# KiCad board mainboard.kicad_pcb (continued)
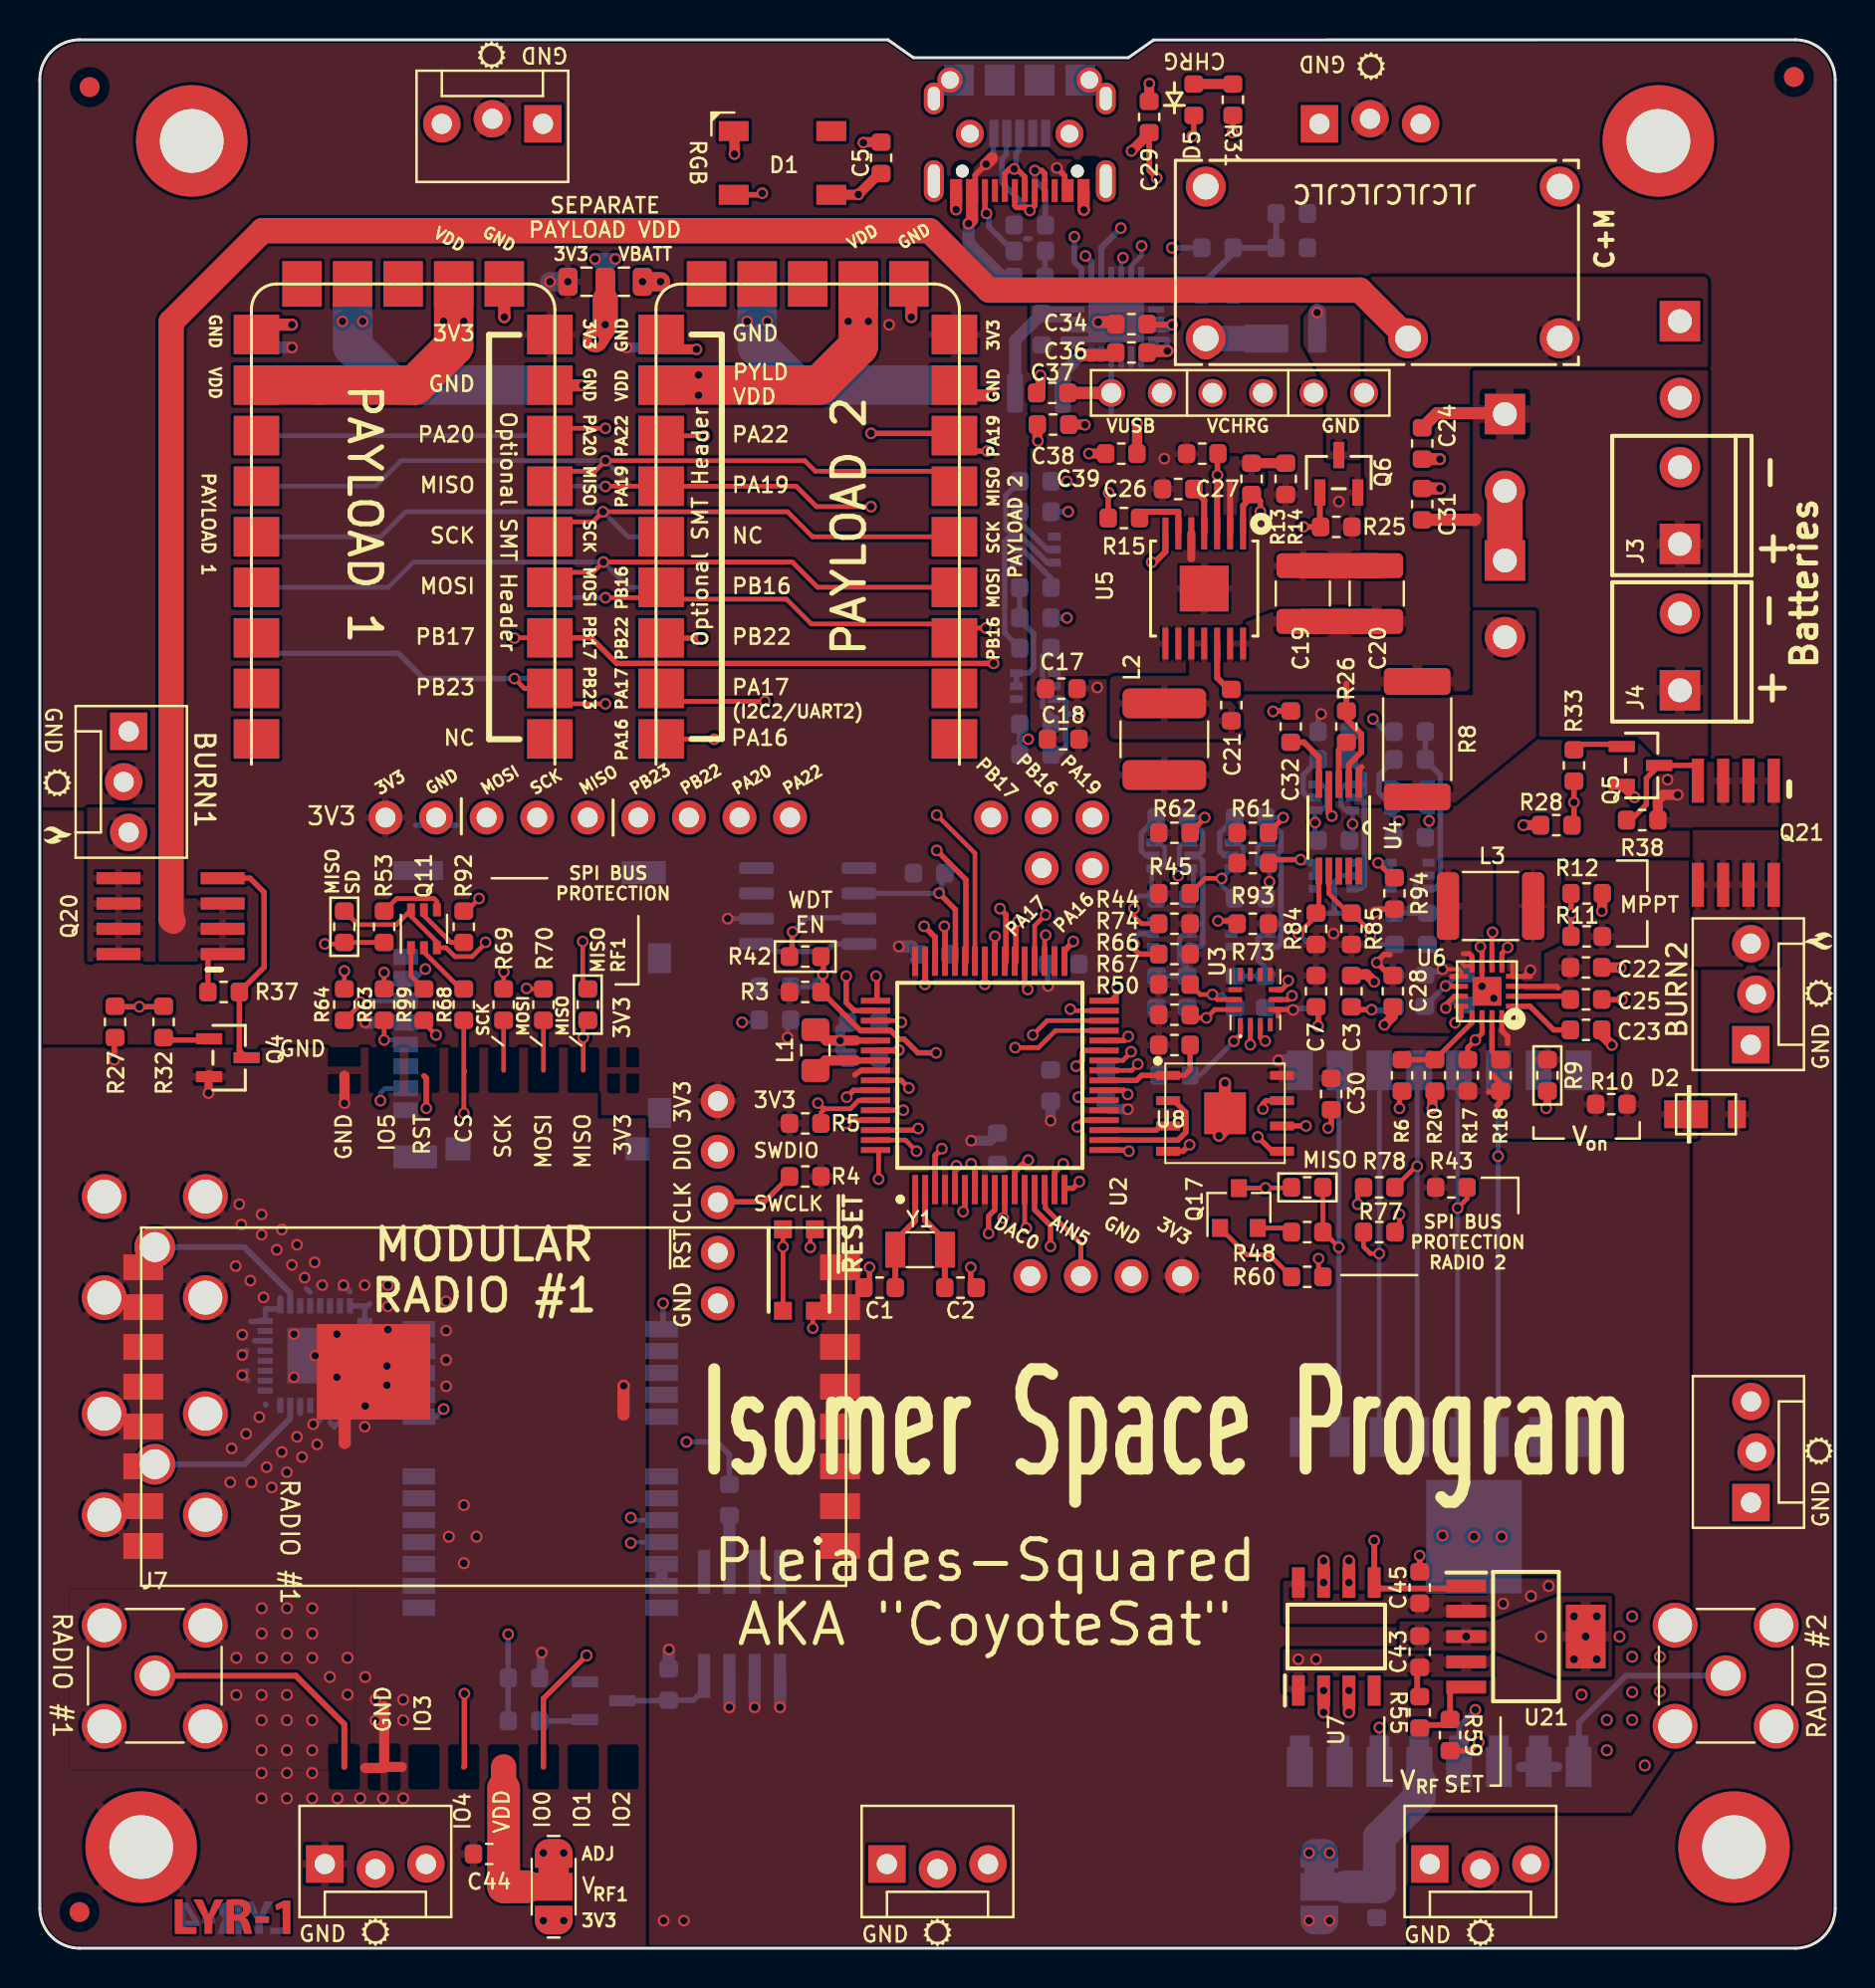
[diagram p0: board, top side]
## Footprints (pads in the part's own frame, mm; a bottom-side part is the same pattern mirrored in y, then rotated) (continued)
  rect 2.8x2.8 smd: 25(0,0)
QFN-16-PAD
  rect 0.7x0.25 smd: P$1(-1.3,0.75) P$2(-1.3,0.25) P$3(-1.3,-0.25) P$4(-1.3,-0.75) P$9(1.3,-0.75) P$10(1.3,-0.25) P$11(1.3,0.25) P$12(1.3,0.75)
  rect 0.25x0.7 smd: P$5(-0.75,-1.3) P$6(-0.25,-1.3) P$7(0.25,-1.3) P$8(0.75,-1.3) P$13(0.75,1.3) P$14(0.25,1.3) P$15(-0.25,1.3) P$16(-0.75,1.3)
  rect 1.45x1.45 smd: P$17(0,0)
QFP50P1200X1200X120-64N
  rect 1.475x0.3 smd: 1(-5.738,3.75) 2(-5.738,3.25) 3(-5.738,2.75) 4(-5.738,2.25) 5(-5.738,1.75) 6(-5.738,1.25) 7(-5.738,0.75) 8(-5.738,0.25) 9(-5.738,-0.25) 10(-5.738,-0.75) 11(-5.738,-1.25) 12(-5.738,-1.75) 13(-5.738,-2.25) 14(-5.738,-2.75) 15(-5.738,-3.25) 16(-5.738,-3.75) 33(5.738,-3.75) 34(5.738,-3.25) 35(5.738,-2.75) 36(5.738,-2.25) 37(5.738,-1.75) 38(5.738,-1.25) 39(5.738,-0.75) 40(5.738,-0.25) 41(5.738,0.25) 42(5.738,0.75) 43(5.738,1.25) 44(5.738,1.75) 45(5.738,2.25) 46(5.738,2.75) 47(5.738,3.25) 48(5.738,3.75)
  rect 0.3x1.475 smd: 17(-3.75,-5.738) 18(-3.25,-5.738) 19(-2.75,-5.738) 20(-2.25,-5.738) 21(-1.75,-5.738) 22(-1.25,-5.738) 23(-0.75,-5.738) 24(-0.25,-5.738) 25(0.25,-5.738) 26(0.75,-5.738) 27(1.25,-5.738) 28(1.75,-5.738) 29(2.25,-5.738) 30(2.75,-5.738) 31(3.25,-5.738) 32(3.75,-5.738) 49(3.75,5.738) 50(3.25,5.738) 51(2.75,5.738) 52(2.25,5.738) 53(1.75,5.738) 54(1.25,5.738) 55(0.75,5.738) 56(0.25,5.738) 57(-0.25,5.738) 58(-0.75,5.738) 59(-1.25,5.738) 60(-1.75,5.738) 61(-2.25,5.738) 62(-2.75,5.738) 63(-3.25,5.738) 64(-3.75,5.738)
R_0603_1608Metric
  rrect 0.875x0.95 smd: 1(-0.787,0) 2(0.787,0)
R_0805_2012Metric
  rrect 0.975x1.4 smd: 1(-0.938,0) 2(0.938,0)
R_2512_6332Metric
  rrect 1.35x3.35 smd: 1(-2.9,0) 2(2.9,0)
RELAY_PE014006
  round 2.007 hole 1.295: 1(-7.62,17.196) 5(0,17.196) 11(-7.62,7.036) 12(0,-0.584) 14(-7.62,-0.584)
RFM95PW
  rect 2x1.3 smd: 1(17.6,-7.5) 2(17.6,-5.5) 3(17.6,-3.5) 4(17.6,-1.5) 5(17.6,0.5) 6(17.6,2.5) 7(17.6,4.5) 8(17.6,6.5) 9(-17.4,6.5) 10(-17.4,4.5) 11(-17.4,2.5) 12(-17.4,0.5) 13(-17.4,-1.5) 14(-17.4,-3.5) 15(-17.4,-5.5) 16(-17.4,-7.5)
  rect 5.7x4.8 smd: 17(6.032,-2.25)
S1216_24PIN_PACKAGE
  rect 1.626x0.813 smd: 1(5.85,-7.62) 2(5.85,-6.52) 3(5.85,-5.42) 4(5.85,-4.32) 5(5.85,-3.22) 6(5.85,-2.12) 7(5.85,-1.02) 8(5.85,1.98) 9(5.85,3.08) 10(5.85,4.18) 11(5.85,5.28) 12(5.85,6.38) 13(-6.35,6.38) 14(-6.35,5.28) 15(-6.35,4.18) 16(-6.35,3.08) 17(-6.35,1.98) 18(-6.35,-1.02) 19(-6.35,-2.12) 20(-6.35,-3.22) 21(-6.35,-4.32) 22(-6.35,-5.42) 23(-6.35,-6.52) 24(-6.35,-7.62)
SCREWTERMINAL-3.5MM-2_LOCK
  rect 2.032x2.032 hole 1.2: 1(-0.178,0)
  round 2.032 hole 1.2: 2(3.678,0)
SMA_Amphenol_901-144_Vertical
  round 2.05 hole 1.5: 1(0,0)
  round 2.25 hole 1.7: 2(-2.54,2.54) 2(-2.54,-2.54) 2(2.54,2.54) 2(2.54,-2.54)
SO-8_3.9x4.9mm_P1.27mm
  rrect 1.75x0.6 smd: 1(-2.575,1.905) 2(-2.575,0.635) 3(-2.575,-0.635) 4(-2.575,-1.905) 5(2.575,-1.905) 6(2.575,-0.635) 7(2.575,0.635) 8(2.575,1.905)
SOIC127P600X175-8N
  rect 1.525x0.65 smd: 1(-2.712,1.905) 2(-2.712,0.635) 3(-2.712,-0.635) 4(-2.712,-1.905) 5(2.712,-1.905) 6(2.712,-0.635) 7(2.712,0.635) 8(2.712,1.905)
SolderJumper-3_P1.3mm_Bridged12_RoundedPad1.0x1.5mm
  custom 1.45x1.9 smd: 1(-1.7,0) 3(1.7,0)
  rect 1.4x1.9 smd: 2(0,0)
SON127P600X500X90-9N
  rect 1.2x0.45 smd: 1(-2.865,1.905) 2(-2.865,0.635) 3(-2.865,-0.635) 4(-2.865,-1.905) 5(2.865,-1.905) 6(2.865,-0.635) 7(2.865,0.635) 8(2.865,1.905)
  rect 2.1x2.1 smd: 9(0,0)
SOT-23
  rect 0.559x1.321 smd: 1(-0.953,-1.003) 2(0.953,-1.003) 3(0,0.876)
SOT-23#2
  rect 0.9x0.8 smd: 1(-1,0.95) 2(-1,-0.95) 3(1,0)
SOT-363_SC-70-6
  rect 0.65x0.4 smd: 1(-0.95,0.65) 2(-0.95,0) 3(-0.95,-0.65) 4(0.95,-0.65) 5(0.95,0) 6(0.95,0.65)
TPS7A4501DCQT
  rect 2x0.65 smd: 1(-3,2.54) 2(-3,1.27) 3(-3,0) 4(-3,-1.27) 5(-3,-2.54)
  rect 2x3.2 smd: 6(3,0)
USB_C_Receptacle_XKB_U262-161N-4BVC11
  round 0.65 hole 0.65 unplated: (-2.39,4.045) (3.39,4.045)
  rect 0.6x1.15 smd: A1(-2.7,5.02) A4(-1.9,5.02) A9(2.9,5.02) A12(3.7,5.02)
  rect 0.3x1.15 smd: A5(-0.75,5.02) A6(0.25,5.02) A7(0.75,5.02) A8(1.75,5.02) B5(2.25,5.02) B6(1.25,5.02) B7(-0.25,5.02) B8(-1.25,5.02)
  oval 1x2.1 hole 0.6x1.7: S1(-3.82,4.545) S1(4.82,4.545)
  oval 1x1.6 hole 0.6x1.2: S1(-3.82,0.395) S1(4.82,0.395)
XTB40_payload
  rect 2.286x1.981 smd: 1(0.254,22.86) 2(0.254,20.32) 3(0.254,17.78) 4(0.254,15.24) 5(0.254,12.7) 6(0.254,10.16) 7(0.254,7.62) 8(0.254,5.08) 9(0.254,2.54) 15(14.986,2.54) 16(14.986,5.08) 17(14.986,7.62) 18(14.986,10.16) 19(14.986,12.7) 20(14.986,15.24) 21(14.986,17.78) 22(14.986,20.32) 23(14.986,22.86)
  rect 1.981x2.286 smd: 10(2.54,0) 11(5.08,0) 12(7.62,0) 13(10.16,0) 14(12.7,0)

## Nets
3.3V: C5.1 C7.1 C9.2 C10.1 C11.1 C13.1 C15.1 C16.1 C17.2 C18.2 C30.1 D1.1 J1.4 J2.1 J8.1 J10.4 JP6.3 JP7.3 L2.2 Q22.1 Q22.2 Q22.3 R3.1 R4.1 R5.1 R13.2 R17.2 R18.2 R23.1 R43.1 R44.1 R45.1 R50.2 R51.2 R54.1 R57.1 R61.1 R62.1 R66.1 R67.1 R73.1 R74.1 R82.1 R83.1 R84.1 R85.1 R93.1 R94.1 U1.2 U2.4 U2.8 U2.21 U2.34 U2.48 U2.56 U3.5 U3.8 U3.12 U5.1 U8.8 U9.9 U10.9 U11.9 U12.9 U23.9 U24.9
/Power/3V3_EN: Q2.6 R29.2 U5.7
GND: C1.2 C2.2 C3.2 C4.1 C5.2 C7.2 C8.2 C9.1 C10.2 C11.2 C12.1 C13.2 C14.2 C15.2 C16.2 C17.1 C18.1 C19.2 C20.2 C22.2 C23.2 C26.2 C27.2 C28.2 C30.2 C32.1 C40.2 C41.2 C42.2 C43.1 C44.1 C45.1 C46.1 D1.3 H1.1 H2.1 H3.1 H4.1 J1.6 J1.P1 J1.P2 J1.P3 J1.P4 J1.P5 J2.5 J5.2 J6.2 J7.2 J8.2 J10.3 J12.2 J14.5 J18.2 JP8.1 JP9.1 JP10.1 JP11.1 JP12.1 JP13.1 JP14.1 JP15.1 Q1.2 Q2.1 Q2.4 Q3.1 Q3.4 Q4.2 Q5.2 Q6.2 Q12.1 Q12.4 Q13.1 Q13.4 Q18.1 Q18.4 Q19.1 Q19.4 R2.1 R7.1 R9.2 R12.1 R14.1 R20.1 R21.2 R25.2 R27.2 R28.2 R41.2 R59.2 SW1.B SW1.B' U1.3 U1.4 U2.7 U2.22 U2.33 U2.47 U2.54 U3.2 U3.3 U3.6 U3.7 U4.4 U5.5 U5.8 U5.9 U5.15 U6.P$5 U6.P$7 U6.P$12 U6.P$17 U7.2 U7.3 U7.6 U7.7 U8.4 U8.9 U9.8 U9.10 U9.15 U10.8 U10.10 U10.15 U11.8 U11.10 U11.15 U12.8 U12.10 U12.15 U13.1 U13.2 U13.3 U13.5 U13.6 U13.7 U13.8 U13.9 U13.10 U13.11 U13.12 U13.13 U13.14 U13.16 U13.17 U13.18 U13.19 U13.20 U13.21 U13.22 U13.23 U13.24 U13.25 U13.27 U13.28 U13.29 U13.30 U13.31 U13.32 U13.EP U14.10 U14.12 U14.13 U14.24 U15.1 U15.8 U15.10 U16.12 U21.3 U21.6 U23.2 U23.16 U23.17 U24.2 U24.16 U24.17
GNDREF: C24.2 C29.2 C31.2 C33.1 C34.2 C35.1 C37.1 C38.1 C39.1 J3.2 J4.2 J11.5 J11.8 J11.9 J13.A1 J13.A12 J13.S1 J14.6 J18.1 R35.1 R36.1 R39.1 R40.1 R46.1 U17.19 U17.20 U17.25
VBATT: C19.1 C20.1 C28.1 C45.2 D4.C J14.2 R1.1 R8.1 R19.1 R26.1 R29.1 R30.1 R47.1 R49.1 R56.2 R58.2 U4.2 U5.13 U5.14 U6.P$9 U7.8 U16.1 U16.14 U21.2
VBATT_SENSE: J17.2 R8.2 U4.1
VBUS_IN: C29.1 C33.2 J11.1 J13.A4 J13.A9 R34.1 U17.23
VBUS_RESET: R52.2 U2.37
VCC_RF1: C44.2 JP6.2 U23.5
VCC_RF2: C46.2 JP7.2 U15.13 U24.5
/Avionics/BATTERY: C3.1 R1.2 R2.2 U2.15
/Avionics/XTAL1: C1.1 U2.1 Y1.1
/Avionics/XTAL2: C2.1 U2.2 Y1.2
/Burn Wires/VBURN1: JP11.3 Q20.5 Q20.6 Q20.7 Q20.8
/Burn Wires/VBURN2: JP12.3 Q21.5 Q21.6 Q21.7 Q21.8
/Burn Wires/VBURN_A_IN: Q20.1 Q20.2 Q20.3 Q21.1 Q21.2 Q21.3 R37.2 R38.2 U16.11
/Power/REGN: C34.1 R31.2 U17.11
/Power/V_RF: C43.2 JP6.1 JP7.1 R55.1 U7.1 U21.4
/Power/VCHRG_IN: C22.1 D2.C R10.2 R11.2 U6.P$3
/RF and GPS/PYLD12_VDD: R54.2 R56.1 U10.11 U10.16 U12.11 U12.16
/RF and GPS/PYLD34_VDD: R57.2 R58.1 U9.11 U9.16 U11.11 U11.16
/RF and GPS/RF2_ANT: J12.1 U15.9 U24.1
/RF and GPS/RF_IN: U13.4 U14.11
AIN5: J10.2 U2.14
BURN_RELAY_A: Q6.1 R25.1 U2.28
DAC0: J10.1 U2.3
ENAB_BURN1: R27.1 R32.2 U2.60
ENAB_BURN2: R28.1 R33.2 U2.32
ENAB_GPS: R21.1 R22.1 U2.62
ENAB_RF: U2.13 U7.5 U21.1
FLASH_CS: R50.1 U2.24 U8.1
FLASH_IO2: U2.19 U8.3
FLASH_IO3: U2.20 U8.7
FLASH_MISO: U2.18 U8.2
FLASH_MOSI: U2.17 U8.5
FLASH_SCK: U2.23 U8.6
GPS_PWR_IN: Q22.5 Q22.6 Q22.7 Q22.8 R24.2 U14.22 U14.23
L1_PROG: R6.1 R20.2 U6.P$13
MISO: J8.5 Q11.3 Q11.6 Q17.3 R101.2 R104.2 R107.2 U2.31 U9.6 U10.6 U11.6 U12.6
MISO_RF1: R99.2 R101.1 U23.10
MISO_RF2: R48.2 R107.1 U15.2 U24.10
MISO_SD: J1.7 R53.2 R104.1
MOSI: J8.3 R64.2 R70.1 R77.2 U2.29 U9.4 U10.4 U11.4 U12.4
MOSI_RF1: R70.2 U23.11
MOSI_RF2: R77.1 U15.3 U24.11
MOSI_SD: J1.3 R64.1
PA16: J15.2 U2.35 U11.1 U12.23
PA17: J15.1 U2.36 U11.2 U12.22
PA19: J9.3 U2.38 U9.18 U12.7 U12.18
PA20: J8.8 U2.41 U9.7 U9.17 U10.7
PA22: J8.9 U2.43 U11.7 U12.17
PB16: J9.2 U2.39 U9.20 U12.3 U12.20
PB17: J9.1 U2.40 U9.21 U10.3
PB22: J8.7 U2.49 U11.3 U12.21
PB23: J8.6 U2.50 U9.3 U9.22 U10.2
RF1_ANT: J7.1 U23.1
RF1_CS: R5.2 R68.2 U2.59 U23.13
RF1_IO0: U2.6 U23.6
RF1_IO4: U2.5 U23.4
RF1_RST: U2.61 U23.14
RF2_CS: R43.2 R60.2 U2.12 U15.5 U24.13
RF2_IO0: U2.9 U15.14 U24.6
RF2_IO4: U2.10 U15.12 U24.4
RF2_RST: U2.27 U15.6 U24.14
RX: U2.64 U14.20
SCK: J8.4 R63.2 R69.2 R78.2 U2.30 U9.5 U10.5 U11.5 U12.5
SCK_RF1: R69.1 U23.12
SCK_RF2: R78.1 U15.4 U24.12
SCK_SD: J1.5 R63.1
SCL: Q7.1 Q7.3 Q15.1 Q15.3 R45.2 R97.2 R108.2 U2.26
SCL_IMU: Q7.4 Q7.6 R66.2 R75.1 R97.1 U3.13
SCL_PWR: Q15.4 Q15.6 R84.2 R95.1 R108.1 U4.6 U17.5
SD_CS: J1.2 R51.1 R92.2 U2.51
SDA: Q8.1 Q8.3 Q16.1 Q16.3 R44.2 R98.2 R109.2 U2.25
SDA_IMU: Q8.4 Q8.6 R67.2 R76.1 R98.1 U3.14
SDA_PWR: Q16.4 Q16.6 R85.2 R96.1 R109.1 U4.7 U17.4
STAT: D5.1 U17.2
SWCLK: J2.3 R4.2 U2.57
SWDIO: J2.2 U2.58
THM: R34.2 R35.2 R46.2 U17.7
TX: U2.63 U14.21
USB_CC1: J13.A5 R40.2
USB_CC2: J13.B5 R39.2
USB_D+: J11.3 J13.A6 J13.B6 U2.46 U17.24
USB_D-: J11.2 J13.A7 J13.B7 U2.45 U17.1
VCHRG: C24.1 C31.1 J3.1 J4.1 J14.4 J16.1
VSOLAR: D2.A JP8.2 JP9.2 JP10.2 JP11.2 JP12.2 JP13.2 JP14.2 JP15.2
WDT_WDI: R7.2 U1.6 U2.44
~{CHRG}: R17.1 U2.11 U6.P$14
~{RESET}: C4.2 J2.4 R3.2 R42.1 SW1.A SW1.A' U2.52
Net-(C6-Pad1): C6.1 Q3.3 Q3.6 R49.2
Net-(C6-Pad2): C6.2 Q2.5 R47.2
Net-(C8-Pad1): C8.1 Q12.5 R75.2
Net-(C12-Pad2): C12.2 C14.1 L1.1 U2.53
Net-(C21-Pad1): C21.1 L2.1 U5.10 U5.11
Net-(C21-Pad2): C21.2 U5.12
Net-(C23-Pad1): C23.1 U6.P$1
Net-(C25-Pad1): C25.1 U6.P$2
Net-(C25-Pad2): C25.2 L3.2 U6.P$4
Net-(C26-Pad1): C26.1 U5.4
Net-(C27-Pad1): C27.1 R15.2 U5.3
Net-(C32-Pad2): C32.2 U4.5
Net-(C35-Pad2): C35.2 L4.1 U17.21 U17.22
Net-(C36-Pad1): C36.1 L4.2 U17.17 U17.18
Net-(C36-Pad2): C36.2 U17.12
Net-(C37-Pad2): C37.2 C38.2 J14.1 U17.15 U17.16
Net-(C39-Pad2): C39.2 J14.3 U17.13 U17.14
Net-(C40-Pad1): C40.1 Q13.5 R76.2
Net-(C41-Pad1): C41.1 Q18.5 R95.2
Net-(C42-Pad1): C42.1 Q19.5 R96.2
Net-(D1-Pad2): D1.2
Net-(D1-Pad4): D1.4 U2.42
Net-(D4-PadA): D4.A Q6.3 U16.5
Net-(D5-Pad2): D5.2 R31.1
Net-(J1-Pad1): J1.1
Net-(J1-Pad8): J1.8
Net-(J1-PadDT): J1.DT
Net-(J1-PadSW): J1.SW
Net-(J5-Pad1): J5.1 U13.15
Net-(J6-Pad1): J6.1 U13.26
Net-(J11-Pad4): J11.4
Net-(J13-PadA8): J13.A8
Net-(J13-PadB8): J13.B8
Net-(J16-Pad2): J16.2 J17.1
Net-(JP8-Pad3): JP8.3
Net-(JP9-Pad3): JP9.3
Net-(JP10-Pad3): JP10.3
Net-(JP13-Pad3): JP13.3
Net-(JP14-Pad3): JP14.3
Net-(JP15-Pad3): JP15.3
Net-(L1-Pad2): L1.2 U2.55
Net-(L3-Pad1): L3.1 U6.P$8
Net-(Q1-Pad1): Q1.1 R22.2
Net-(Q1-Pad3): Q1.3 Q22.4 R23.2
Net-(Q2-Pad2): Q2.2 Q2.3 R30.2 R110.2
Net-(Q3-Pad2): Q3.2 R110.1
Net-(Q3-Pad5): Q3.5 R52.1
Net-(Q4-Pad1): Q4.1 R32.1
Net-(Q5-Pad1): Q5.1 R33.1
Net-(Q7-Pad2): Q7.2 R71.1
Net-(Q8-Pad2): Q8.2 R72.1
Net-(Q11-Pad1): Q11.1 R99.1
Net-(Q11-Pad2): Q11.2 R68.1
Net-(Q11-Pad4): Q11.4 R53.1
Net-(Q11-Pad5): Q11.5 R92.1
Net-(Q12-Pad2): Q12.2 Q12.3 R73.2
Net-(Q12-Pad6): Q7.5 Q12.6 R61.2 R71.2
Net-(Q13-Pad2): Q13.2 Q13.3 R74.2
Net-(Q13-Pad6): Q8.5 Q13.6 R62.2 R72.2
Net-(Q15-Pad2): Q15.2 R86.1
Net-(Q15-Pad5): Q15.5 Q18.6 R82.2 R86.2
Net-(Q16-Pad2): Q16.2 R87.1
Net-(Q16-Pad5): Q16.5 Q19.6 R83.2 R87.2
Net-(Q17-Pad1): Q17.1 R60.1
Net-(Q17-Pad2): Q17.2 R48.1
Net-(Q18-Pad2): Q18.2 Q18.3 R93.2
Net-(Q19-Pad2): Q19.2 Q19.3 R94.2
Net-(Q20-Pad4): Q4.3 Q20.4 R37.1
Net-(Q21-Pad4): Q5.3 Q21.4 R38.1
Net-(R6-Pad2): R6.2 U2.16
Net-(R10-Pad1): R9.1 R10.1 U6.P$16
Net-(R11-Pad1): R11.1 R12.2 U6.P$6
Net-(R13-Pad1): R13.1 R14.2 U5.2
Net-(R15-Pad1): R15.1 U5.6
Net-(R16-Pad1): R16.1 U6.P$11
Net-(R16-Pad2): R16.2 R19.2 U6.P$10
Net-(R18-Pad1): R18.1 U6.P$15
Net-(R24-Pad1): R24.1 U14.8
Net-(R26-Pad2): R26.2 U4.3
Net-(R36-Pad2): R36.2 U17.8
Net-(R41-Pad1): R41.1 U3.1
Net-(R42-Pad2): R42.2 U1.7
Net-(R55-Pad2): R55.2 R59.1 U21.5
Net-(U1-Pad1): U1.1 U1.8
Net-(U1-Pad5): U1.5
Net-(U3-Pad4): U3.4
Net-(U3-Pad9): U3.9
Net-(U3-Pad10): U3.10
Net-(U3-Pad11): U3.11
Net-(U4-Pad8): U4.8
Net-(U4-Pad9): U4.9
Net-(U4-Pad10): U4.10
Net-(U7-Pad4): U7.4
Net-(U9-Pad1): U9.1
Net-(U9-Pad2): U9.2
Net-(U9-Pad13): U9.13
Net-(U9-Pad14): U9.14
Net-(U9-Pad19): U9.19
Net-(U9-Pad23): U9.23
Net-(U10-Pad1): U10.1
Net-(U10-Pad13): U10.13
Net-(U10-Pad14): U10.14
Net-(U10-Pad17): U10.17
Net-(U10-Pad18): U10.18
Net-(U10-Pad19): U10.19
Net-(U10-Pad20): U10.20
Net-(U10-Pad21): U10.21
Net-(U10-Pad22): U10.22
Net-(U10-Pad23): U10.23
Net-(U11-Pad13): U11.13
Net-(U11-Pad14): U11.14
Net-(U11-Pad17): U11.17
Net-(U11-Pad18): U11.18
Net-(U11-Pad19): U11.19
Net-(U11-Pad20): U11.20
Net-(U11-Pad21): U11.21
Net-(U11-Pad22): U11.22
Net-(U11-Pad23): U11.23
Net-(U12-Pad1): U12.1
Net-(U12-Pad2): U12.2
Net-(U12-Pad13): U12.13
Net-(U12-Pad14): U12.14
Net-(U12-Pad19): U12.19
Net-(U14-Pad1): U14.1
Net-(U14-Pad2): U14.2
Net-(U14-Pad3): U14.3
Net-(U14-Pad4): U14.4
Net-(U14-Pad5): U14.5
Net-(U14-Pad6): U14.6
Net-(U14-Pad7): U14.7
Net-(U14-Pad9): U14.9
Net-(U14-Pad14): U14.14
Net-(U14-Pad15): U14.15
Net-(U14-Pad16): U14.16
Net-(U14-Pad17): U14.17
Net-(U14-Pad18): U14.18
Net-(U14-Pad19): U14.19
Net-(U15-Pad7): U15.7
Net-(U15-Pad11): U15.11
Net-(U15-Pad15): U15.15
Net-(U15-Pad16): U15.16
Net-(U17-Pad3): U17.3
Net-(U17-Pad6): U17.6
Net-(U17-Pad9): U17.9
Net-(U17-Pad10): U17.10
Net-(U23-Pad3): U23.3
Net-(U23-Pad7): U23.7
Net-(U23-Pad8): U23.8
Net-(U23-Pad15): U23.15
Net-(U24-Pad3): U24.3
Net-(U24-Pad7): U24.7
Net-(U24-Pad8): U24.8
Net-(U24-Pad15): U24.15

Pads without a net: J11 6 7 10 11 12 13; U9 12; U10 12; U11 12; U12 12

## Via types
v1: diameter 0.584, hole 0.381, Top to Bottom, 343 vias
v2: diameter 0.6, hole 0.4, Top to Bottom, 66 vias

## Routing (per net, layer and track width the routed paths; a pad name or vN(x,y) marks a point on that pad's centre or on a via; arc(x,y) is an arc through that point)
3.3V: length 83.6
  Top w0.25: v1(62.95,47.14) 62.93,47.16 62.09,47.16
  Top w0.272: v1(61.3,72.17) 61.3,72.72 60.99,73.04 ; R94.1 67.25,52.21 v1(67.08,52.04) ; 42.04,44.1 41.25,44.1 40.93,43.88 ; 62.19,46.84 62.19,47.03 U3.5
  Top w0.279: 73.34,43.02 73.34,43.5 72.99,43.85 ; 73.34,43.02 73.34,42.48 73.19,42.33 ; 73.34,43.02 72.76,43.02 ; 41.1,88.1 v1(41.11,88.11)
  Top w0.305: 60.99,73.04 60.43,72.48 U5.1
  Top w0.508: C5.1 42.16,89.17 v1(41.11,88.11) ; D1.1 41.1,88.1
  Route15 w0.272: v1(64.97,50.98) 65.95,50.98 67.02,52.04 v1(67.08,52.04) 69.22,54.18 69.22,59.5 v1(66.95,61.76) 66.7,62.01 v1(64.35,62.01)
  Route15 w0.279: v1(61.3,72.17) 56.9,72.17 53.11,68.38 v1(53.11,63.35)
  Route15 w0.508: v1(42.66,81.57) 42.63,81.59 42.63,86.59 v1(41.11,88.11)
  Route15 w1.27: v1(25.29,1.39) v1(26.31,1.39) 31.28,1.39 ; v1(31.33,1.39) v1(32.35,1.39)
  Bottom w0.235: U1.2 v1(34.55,51.73) ; v1(37.55,45.76) 37.55,46.49 R51.2
  Bottom w0.272: C15.1 50.61,48.38 v1(50.64,48.35) ; v1(66.95,61.76) 67.46,61.25 68.01,61.25 ; v1(64.35,62.01) 64.2,61.86 64.2,61.06
  Bottom w0.279: v1(62.95,47.14) 63.01,47.21 64.22,47.21
  Bottom w0.508: 31.18,81.08 31.18,80.78 30.82,80.42 v1(29.46,80.42) ; 48.09,40.93 47.74,40.57 v1(46.78,40.57) ; 53.49,42.39 53.73,42.15 v1(54.65,42.15) ; C16.1 50.76,41.58 v1(50.77,41.58)
  Bottom w0.61: J1.4 16.36,46.5 v1(16.34,46.52) ; 25.62,83.73 v1(25.62,83.73) ; 35.9,13.7 v1(35.9,12.1) ; v1(43.14,50.33) 43.78,50.33 44.16,49.95 ; 63.28,44.51 63.18,44.62 62.21,44.62 v1(62.2,44.6) ; 34.63,13.7 v1(34.63,12.1) ; 10.91,81.05 11.53,80.43 v1(12.66,80.43) ; 37.17,13.7 v1(37.17,12.1) ; v1(31.6,15.01) 31.58,14.99 R23.1
  Bottom w0.975: R57.1 25.62,83.73
  vias: v1(26.52,83.73) v1(63.75,1.39) v1(64.77,1.39)
/Power/3V3_EN: length 16.7
  Top w0.279: 56,69.63 v1(55.84,69.63)
  Top w0.305: U5.7 56.53,70.16 56,69.63
  Route15 w0.272: v1(55.84,69.63) 55.84,63.54 54.32,62.01 v1(52.22,62.01)
  Bottom w0.272: R29.2 51.22,59.98 51.52,60.28 51.52,62.01 ; Q2.6 51.41,62.76 51.52,62.65 51.52,62.01 ; 51.52,62.01 v1(52.22,62.01)
GND: length 95.2
  Top w0.235: 17.23,9.06 17.31,9.14 17.31,9.79 17.31,9.13 17.29,9.11 ; 44.46,48.44 v1(44.45,48.43) ; 18.18,9.11 18.23,9.06 18.25,9.06 ; SW1.B 38.7,35.9 v1(38.7,35.22) ; SW1.B' 38.82,31.92 v1(38.82,31.15)
  Top w0.25: U6.P$5 73.43,49.99 v1(73.72,50.28) ; U6.P$17 v1(72.43,48.33) U6.P$7 72.43,50.24 v1(72.35,50.32) ; U6.P$12 71.38,46.79 v1(71.08,46.49) ; 62.7,48.68 v1(62.7,48.62) 62.7,48.49 62.37,48.16 U3.7 ; 60.8,46.38 60.8,45.4 v1(60.79,45.4) ; v1(61.54,45.58) 61.47,45.58 61.3,45.75 61.3,46.38 ; U3.6 62.7,47.66 v1(62.89,47.85)
  Top w0.272: v1(41.67,34.21) 41.67,33.47 C1.2 ; v1(46.76,34.21) 46.76,33.46 C2.2 ; 53.38,42.6 52.32,42.6 v1(52.16,42.76) ; v1(3.74,44.63) 3.74,45.65 3.78,45.69 ; 43.82,83.62 43.77,83.57
  Top w0.279: U6.P$17 73.03,47.73 v1(73.03,47.72) ; 20.41,28.24 v1(20.41,28.23) ; 64.21,47.3 64.21,46.34 v1(64.2,46.33) ; v1(57.75,40.37) 57.42,40.04 U8.4 ; v1(64.7,41.21) 64.86,41.36 C30.2 ; 34.85,90.18 v1(34.89,90.14)
  Top w0.293: C45.1 v1(69.3,19.72) ; v1(72.27,10.36) 71.83,9.92 R59.2 ; v1(61.94,62.14) 61.96,62.17 C32.1
  Top w0.3: 51.46,49.52 51.46,50.12 51.9,50.56 v1(51.9,50.58) ; U2.47 44.46,48.44 ; v1(46.77,39.41) 46.96,39.22 46.96,38.18 ; 42.04,45.1 43.12,45.1 v1(43.14,45.12)
  Top w0.33: v1(64.89,56.89) 64.74,57.04 64.74,58.34
  Top w0.406: 57.83,69.84 U5.5 ; 8.5,43.91 8.47,43.88 v1(8.47,42.96) ; v1(75.65,42.2) 75.72,42.27 R9.2
  Top w0.508: R28.2 v2(74.51,56.43) ; C5.2 41.39,90.74 v1(41.36,90.72) ; 23.34,83.61 23.33,83.62 U10.10 ; v1(79.4,49.25) 79.37,49.28 78.51,49.28 ; 17.29,9.06 17.29,12.16 ; 17.23,9.06 16.34,9.06 ; v1(67.02,48.55) 66.64,48.93 65.8,48.93 65.74,48.87 ; v1(15.3,42.46) 15.3,43.82 15.29,43.83 ; R20.1 69.94,42.94 v1(69.94,42.2) ; v1(80.1,57.82) 80.1,57.82 Q5.2 ; C23.2 78.44,45.89 v1(78.96,45.38) ; C28.2 67.96,46.82 v1(67.53,46.39) ; 17.29,9.11 18.18,9.11 ; v1(78.45,52.11) 78.47,52.13 R12.1 ; v1(34.89,90.14) 34.89,91.26 ; v1(32.98,80.34) 31.92,80.34 31.21,81.05
  Top w0.61: v1(65.75,18.37) v1(65.75,19.47) ; v1(64.48,18.37) v1(64.48,19.47) ; v1(29.32,28.26) 29.31,28.25 29.31,26.81 ; v1(12.66,81.57) 11.38,81.57 U10.15 ; 15.31,26.81 15.31,25.4 15.3,25.39 ; v1(65.75,12.95) v1(65.75,11.85) ; 25.49,78.54 25.5,78.52 v1(27.27,78.52) ; v1(47.84,78.02) 46.45,78.02 U12.8 ; 43.77,83.57 v1(43.77,81.95) ; v1(23.33,81.95) 23.33,81.96 U10.10 ; v1(59.22,40.82) 59.52,41.12 U8.9 v1(59.52,43.47) ; v1(64.48,12.95) v1(64.48,11.85)
  Top w1.27: C20.2 C19.2
  Bottom w0.235: U13.5 U13.6
  Bottom w0.272: U13.25 11.93,32.12 11.36,32.12 11.33,32.08 U13.24 ; U13.25 12.08,32.68 ; U13.25 12.09,32.25 ; U13.8 16.32,28.01 16.32,27.17 16.21,27.27 ; 16.57,32.38 16.46,32.27 16.32,32.27 ; 14.58,26.42 14.79,26.2 15.08,26.49 ; 17.2,29.02 v1(17.43,29.25) ; U13.30 14.54,32.31 ; 14.08,26.55 13.73,26.2 13.58,26.35 ; 15.08,28.54 v1(14.92,28.69) ; U13.29 14.03,32.22 ; 13.58,32.96 13.39,33.14 ; U13.14 13.08,26.85 ; 16.32,32.27 U13.32 15.59,32.26 ; 16.32,32.27 16.32,31.53 U13.1 ; 11.33,27.33 11.36,27.3 ; U13.16 12.01,27.33 ; 15.08,31.02 U13.2 17.42,31.02 v1(17.48,31.08) ; 14.08,33.22 13.98,33.31 ; 15.08,33.14 v1(15.25,33.31) 15.58,32.99 ; 17.17,28.02 v1(17.43,28.29) ; 10.38,30.02 v1(10.17,29.81) ; U13.22 10.78,30.52 ; 10.44,28.52 v1(10.17,28.79) 10.4,29.02 ; 12.59,28.52 v1(12.76,28.69) ; U13.23 11.19,31.02 ; 12.59,31.02 v1(12.76,30.85) ; 11.29,31.49 10.6,31.49 ; 20.92,56.43 18.88,56.43
  Bottom w0.279: U14.13 31.3,31.17 v1(31.3,32.4)
  Bottom w0.406: 25.17,13.58 25.17,14.81 v1(25.21,14.85)
  Bottom w0.508: 76.21,9.11 74.38,9.11
  vias: v1(9.56,23.41) v1(9.63,25.11) v1(9.84,34.27) v1(10.02,37.38) v1(10.12,36.36) v1(10.17,30.83) v1(10.36,25.84) v1(10.57,33.54) v1(10.63,23.41) v1(11.02,26.69) v1(11.14,36.87) v1(11.14,35.85) v1(11.23,32.7) v1(11.39,24.17) v1(11.65,23.15) v1(11.9,35.09) v1(12.15,36.11) v1(12.15,24.93) v1(12.41,23.91) v1(12.66,34.33) v1(12.92,35.34) v1(12.92,25.69) v1(13.17,24.68) v1(13.3,33.69) v1(13.8,34.46) v1(13.73,26.33) v1(13.83,29.77) v1(13.93,25.31) v1(14.19,33.31) v1(14.92,30.85) v1(16.32,33.31) v1(16.34,27.24) v1(16.32,26.2) v1(16.85,12.48) v1(16.85,11.44) v1(17.48,33.31) v1(17.48,32.25) v1(20.41,32.5) v1(20.41,31.03) v1(20.41,29.56) v1(56.48,74.84) v1(65.24,72.68) v2(9.87,14.59) v2(9.87,12.72) v2(11.14,17.08) v2(11.14,15.81) v2(11.14,14.59) v2(11.14,12.72) v2(11.14,11.45) v2(11.14,9.94) v2(11.14,8.8) v2(11.14,7.53) v2(12.41,17.08) v2(12.41,15.81) v2(12.41,14.59) v2(12.41,12.72) v2(12.41,11.45) v2(12.41,9.94) v2(12.41,8.8) v2(12.41,7.53) v2(13.68,17.08) v2(13.68,15.81) v2(13.68,14.59) v2(13.68,11.45) v2(13.68,9.94) v2(13.68,8.8) v2(13.68,7.53) v2(14.57,13.63) v2(14.95,7.53) v2(15.46,14.59) v2(15.46,12.74) v2(16.09,7.53) v2(16.34,13.63) v2(17.23,7.53) v2(18.25,12.48) v2(18.25,11.45) v2(18.25,7.53) v2(20.54,20.68) v2(21.3,22.26) v2(21.3,19.34) v2(21.93,20.68) v2(70.45,20.74) v2(71.64,15.66) v2(72.03,20.68) v2(73.42,20.68) v2(75.4,15.66) v2(77.05,16.68) v2(77.05,14.52) v2(77.43,12.74) v2(77.64,15.66) v2(78.19,16.68) v2(78.19,14.52) v2(78.7,11.47) v2(78.7,9.94) v2(79.34,15.66) v2(79.97,16.68) v2(79.97,14.64) v2(79.97,12.87) v2(79.97,11.47) v2(80.61,9.18) v2(81.37,14.64) v2(81.37,12.9)
GNDREF: length 13.6
  Top w0.272: v1(46.02,87.35) 46.02,87.36 46.02,87.4
  Top w0.508: v1(55.73,93.68) 55.71,93.67 55.71,92.75 ; C37.1 50.25,78.33 v1(50.25,79.03) ; v1(50.13,75.73) 50.1,75.76 C38.1 ; C39.1 v1(52.69,75.1)
  Top w0.61: C31.2 v1(70.32,73.34) ; 54.04,81.7 v2(53.15,81.7) ; v1(52.44,87.34) 52.42,87.36 J13.A1 ; C24.2 v1(70.32,74.82) ; 46.02,88.43 46.02,87.4
  Bottom w0.272: U17.19 51.92,80.83 51.9,80.81 51.9,80.49
  Bottom w0.279: C33.1 50.48,85.26 R39.1 ; C35.1 50.84,80.56 ; 49.52,85.89 49.72,85.89
  Bottom w0.3: 51.4,80.84 52.78,80.84 ; 51.4,81.33 52.78,81.33
VBATT: length 151.7
  Top w0.203: U6.P$9 71.38,49.06 71.25,49.19 v1(70.45,49.19)
  Top w0.25: U6.P$9 70.91,48.83
  Top w0.272: 67.82,49.92 67.5,49.92 67.15,49.57 v1(67.15,49.52) 67.8,48.87 C28.1
  Top w0.293: U4.2 65.74,59.47 66.37,60.1 66.37,61.01 66.08,61.3 66.08,61.3 65.62,61.76 R26.1 65.62,63.54
  Top w0.975: R56.2 31.17,83.73
  Top w1.27: C20.1 C19.1 ; U16.1 58.56,80.45
  Route15 w0.305: v1(49.64,60.75) 49.64,61.78 51.14,63.28 51.14,66.4 v1(51.59,66.84) 52.48,67.73 52.48,72.81 v1(51.59,73.7) 51.02,73.7 49.21,75.5 49.21,80.48 53.28,84.54 53.28,86.53 54.88,88.13 54.88,89.41 55.59,90.12 55.59,91.61
  Route15 w0.508: v1(67.15,49.52) 67.15,49.5 67.17,49.48 ; 57.62,78.14 J14.2 56.35,79.41 ; 57.29,80.89 U16.1 59.98,80.89
  Route15 w0.61: J14.2 56.35,77
  Route15 w0.762: 72.26,80.45 75.9,80.45 U16.14
  Route15 w1.016: J14.2 56.35,78.21 ; 58.49,80.35 58.56,80.35
  Route15 w1.27: 53.43,91.35 55.59,91.35 56.73,92.49 60.67,92.49 61.65,91.51 61.65,88.46 67.53,82.59 ; 45.25,91.38 42.39,91.38 41.65,92.11 38.44,92.11 31.18,84.85 v1(31.18,83.73) v1(30.27,83.73)
  Route15 w1.905: v2(73.49,17.31) v2(75.78,18.2) 75.78,21.06 81.11,26.39 81.11,53 80.23,53.89
  Bottom w0.272: v1(67.15,49.52) 67.8,48.87 R1.1 ; 70.38,49.06 69.72,49.06 R19.1 ; R29.1 R47.1
  Bottom w0.305: v1(49.64,60.75) 49.61,60.78 49.21,60.78 ; R30.1 v1(51.59,66.84) ; R49.1 v1(51.59,73.7)
  Bottom w0.61: 31.17,83.73 v1(31.18,83.73)
  Bottom w0.975: v1(30.27,83.73) 31.17,83.73
  Bottom w1.27: D4.C 58.57,80.87 U16.1
  vias: v2(74.89,17.69)
VBATT_SENSE: length 0.9
  Top w0.293: U4.1 66.24,59.2 66.38,59.35
VBUS_IN: length 27.8
  Top w0.279: J13.A4 51.47,88.46 51.47,89.05 v1(51.08,89.45) ; v1(56.1,88.94) 55.71,89.32 C29.1 ; v1(47.52,89.64) 46.98,89.09 46.98,88.47 J13.A9
  Top w0.508: v1(54.83,90.3) 54.83,90.3 55.71,91.18
  Top w0.61: v1(46.65,86.65) 46.82,86.83 J13.A9 ; v1(47.52,89.64) 47.82,89.93
  Route15 w0.279: v1(56.1,88.94) 56.1,86.19 v1(56.86,85.43)
  Route15 w0.508: v1(54.83,90.3) 53.25,90.3 52.99,90.03 51.66,90.03 v1(51.08,89.45)
  Bottom w0.279: U17.23 51.21,82.83 51.02,83.02 ; 51.08,89.36 v1(51.08,89.45) ; v1(47.52,89.64) 47.89,90 47.89,91.06 ; 58.38,85.43 v1(56.86,85.43)
  Bottom w0.61: v1(46.65,86.65) 46.65,85.68 48.37,83.96 C33.2 48.91,83.63 49.52,83.02 51.09,83.02
VBUS_RESET: length 33.8
  Top w0.272: v1(49.62,48.17) 49.46,48.33 49.46,49.52
  Route15 w0.272: v1(49.62,48.17) 49.62,48.58 51.21,50.17 51.21,50.84 54.57,54.2 54.57,57.82 53.62,58.78 50.06,58.78 48.98,59.86 48.98,62.46 49.75,63.22 49.75,70.27 v1(51.65,72.17)
  Bottom w0.272: R52.2 v1(51.65,72.17)
VCC_RF1: length 8.5
  Top w1.27: 25.8,3.09 24.45,3.09 ; 23.29,9.11 23.29,8.04
  Top w1.651: 23.29,8.04 23.29,3.09 24.45,3.09
VCC_RF2: length 9.9
  Bottom w1.27: U15.13 69.28,8.95 ; JP7.2 65.61,3.09
  Bottom w1.651: 69.28,8.42 69.28,7.57 67.28,5.57 67.28,3.1 67.27,3.09 65.61,3.09
/Avionics/BATTERY: length 26.4
  Top w0.272: 50.96,38.18 50.96,38.98 v1(51.4,39.41)
  Top w0.279: 65.74,47.3 65.99,47.3 66.13,47.16 v1(66.89,47.16)
  Route15 w0.272: v1(66.89,47.16) 66.89,47.15 66.89,42.61 64.49,40.21 59.97,40.21 59.17,39.41 v1(51.4,39.41)
  Bottom w0.279: 65.74,47.3 65.99,47.3 66.13,47.16 v1(66.89,47.16) 66.93,47.11 67.87,47.11 68.03,47.28
/Avionics/XTAL1: length 5.3
  Top w0.3: C1.1 42.96,35.09 Y1.1 42.96,35.54 43.96,36.55 U2.1
/Avionics/XTAL2: length 5.3
  Top w0.3: C2.1 45.45,35.09 Y1.2 45.46,35.57 44.46,36.56 U2.2
/Burn Wires/VBURN2: length 0.1
  Top w0.272: JP12.3 85.87,50.54
/Burn Wires/VBURN_A_IN: length 131.5
  Top w0.272: R37.2 8.45,49.8 8.47,49.82
  Top w0.508: v1(82.26,57.95) 81.53,57.95 81.37,57.79 ; 81.27,56.81 81.27,57.69
  Top w1.27: 6.69,51.6 6.59,51.7 6.59,81.71 11.18,86.3 44.69,86.3 47.68,83.31 66.3,83.31 U16.11
  Route15 w1.27: v1(82.26,57.95) 80.1,60.11 80.1,74.46 75.44,79.12 70.48,79.12 U16.11
  vias: v1(81.75,58.71)
/Power/REGN: length 15.1
  Top w0.272: R31.2 59.92,91.24 v1(59.91,91.22)
  Top w0.279: 55.61,81.32 55.61,81.34 55.84,81.57
  Top w0.3: v1(56.87,81.57) 55.84,81.57
  Route15 w0.272: v1(56.87,81.57) 57.62,82.32 57.62,86.02 56.98,86.65 56.98,89.19 59.02,91.22 v1(59.91,91.22)
  Bottom w0.3: v1(56.87,81.57) 56.63,81.33 U17.11
/Power/V_RF: length 55
  Top w0.293: 69.18,12.64 69.18,14.11
  Route15 w1.905: 25.23,4.79 37.35,4.79 39.71,7.15 58,7.15 ; 58,7.15 60.36,4.79 65.15,4.79 ; 58,7.15 58,11.47 61.05,14.52 v1(63.21,14.52) v1(64.1,14.52)
  vias: v1(25.29,4.79) v1(26.31,4.79) v1(63.75,4.79) v1(64.77,4.79)
/Power/VCHRG_IN: length 2.3
  Top w0.25: 76.26,48.25 76.18,48.33 U6.P$3
/RF and GPS/PYLD12_VDD: length 46.6
  Top w0.975: R54.2 28.4,82.86
  Top w1.27: v1(27.9,80.81) v1(28.4,81.57) 28.4,82.86
  Top w1.981: U10.16 18.83,78.54 20.79,80.49 U10.11 ; U12.11 41.11,80.49 39.15,78.54 U12.16
  Route15 w1.27: v1(20.28,81.74) v1(21.3,81.74) 22.22,80.81 27.52,80.81 29.29,79.04 v1(33.08,79.04) v1(33.08,78.03) ; v1(28.4,81.57) v1(27.9,80.81)
  vias: v1(40.6,81.74) v1(41.62,81.74)
/RF and GPS/PYLD34_VDD: length 55.7
  Route15 w1.27: v1(36.54,81.74) v1(35.52,81.74) 30.28,81.74 28.66,83.35 28.66,84.87 28.54,85 19.48,85 v1(16.22,81.74) v1(15.2,81.74)
  Bottom w0.61: 28.4,84.37 v1(28.9,84.87) v1(27.89,84.87) 28.4,84.37 ; 28.4,84.37 R57.2
  Bottom w1.981: U9.16 17.66,78.54 15.71,80.49 U9.11 ; U11.11 36.03,80.49 37.99,78.54 U11.16
/RF and GPS/RF2_ANT: length 10.6
  Bottom w0.293: J12.1 79.65,13.69 77.3,11.34 77.3,9.06
/RF and GPS/RF_IN: length 2.7
  Bottom w0.293: U13.4 19.02,30.02 U14.11
AIN5: length 5.2
  Top w0.25: J10.2 52.29,35.4 50.5,37.19 50.5,38.15 50.46,38.18
BURN_RELAY_A: length 47.4
  Top w0.279: v1(54.66,45.81) 54.45,45.6 53.38,45.6
  Top w0.293: Q6.1 64.29,71.45 R25.1 v1(63.46,71.41)
  Route15 w0.279: v1(54.66,45.81) 54.14,45.29 54.14,44.16 54.44,43.86 56.8,43.86 63.27,50.33 67.65,50.33 70.57,53.25 70.57,61.63 63.46,68.75 v1(63.46,71.41)
DAC0: length 11.2
  Top w0.272: 44.96,38.18 44.96,39.83 v1(45.3,40.17)
  Route15 w0.272: v1(45.3,40.17) 45.99,40.17 46.16,39.99 46.98,39.99 47.36,39.61 47.36,38.65 48.99,37.02 48.99,34.53 J10.1
ENAB_BURN1: length 49.2
  Top w0.272: 3.78,47.39 3.87,47.3 v1(5,47.3) 6.13,47.3 6.22,47.39 ; v1(43.37,42.1) 43.37,42.1 42.04,42.1
  Route15 w0.272: 26.89,36.23 21.81,36.23 16.41,41.63 13.49,41.63 7.82,47.3 v1(5,47.3)
  Route15 w0.279: 26.89,36.23 37.5,36.23 v1(43.37,42.1)
ENAB_BURN2: length 42.2
  Top w0.272: R28.1 77.05,56.53 v1(77.05,57.57) R33.2 ; 53.38,47.6 53.8,47.6 54.06,47.87 54.06,48.32 v1(54.09,48.3)
  Route15 w0.272: v1(54.09,48.3) 53.53,47.74 53.53,44.02 54.09,43.46 57.86,43.46 58.7,44.3 61.11,44.3 64.65,47.84 67.28,47.84 67.33,47.79 71.34,47.79 71.59,48.04 71.59,48.81 72.22,49.44 74,49.44 75.86,51.3 77.1,51.3 77.51,51.71 77.51,57.11 v1(77.05,57.57)
ENAB_GPS: length 42.5
  Top w0.272: 42.04,41.1 44.03,41.1 v1(44.11,41.18)
  Route15 w0.272: v1(44.11,41.18) 44.67,40.63 44.67,34.07 28.41,17.82 25.57,17.82 v1(23.52,15.77)
  Bottom w0.272: v1(23.52,15.77) 23.52,11.47 23.47,11.42
ENAB_RF: length 33.8
  Top w0.272: v1(50.76,35.26) 50.76,36.31 49.96,37.11 U2.13
  Top w0.293: v1(67.02,20.49) 67.02,18.37 67.32,18.07 71.51,18.07 U21.1
  Route15 w0.272: v1(67.02,20.49) 58.89,28.61 55.21,28.61 51.02,32.8 51.02,35.01 v1(50.76,35.26)
FLASH_CS: length 5.6
  Top w0.272: 53.38,43.6 55.08,43.6 55.33,43.85 57.49,43.85 57.77,44.13 57.77,45.12
FLASH_IO2: length 3.4
  Top w0.272: 53.38,41.1 56.08,41.1 56.29,41.31 56.67,41.31
FLASH_IO3: length 12.4
  Top w0.272: 62.37,42.58 61.58,42.58 61.43,42.43 v1(61.43,42.17)
  Top w0.279: 53.38,41.6 52.37,41.6 52.11,41.34 v1(52.11,41.26)
  Route15 w0.279: v1(61.43,42.17) 60.64,41.38 58.95,41.38 58.84,41.26 v1(52.11,41.26)
FLASH_MISO: length 6.5
  Top w0.279: 56.67,42.58 56.97,42.58 57.56,42 57.56,41 57.16,40.6 53.38,40.6
FLASH_MOSI: length 9.8
  Top w0.272: v1(54.7,40.04) 54.64,40.1 53.38,40.1 ; 62.37,40.04 61.89,40.04 v1(61.18,40.76)
  Route15 w0.279: v1(61.18,40.76) 61.02,40.61 59.8,40.61 59,39.81 54.93,39.81 v1(54.7,40.04)
FLASH_SCK: length 12.2
  Top w0.272: 62.37,41.31 v1(63.59,41.31)
  Top w0.279: v1(54.64,42.9) 54.43,43.1 53.38,43.1
  Route15 w0.279: v1(54.64,42.9) 54.74,42.8 62.1,42.8 v1(63.59,41.31)
GPS_PWR_IN: length 4.3
  Bottom w0.61: U14.23 U14.22 ; 34.63,21.76 34.63,18.55
L1_PROG: length 4.6
  Top w0.25: U6.P$13 71.93,46.78 71.93,46.51 R20.2
  Top w0.272: R20.2 R6.1
MISO: length 141.2
  Top w0.235: v1(27.27,50.58) 27.27,50.58 27.27,48.2 ; Q17.3 61.54,38.19 v1(61.56,38.2) 62.84,38.2 R107.2 ; U10.6 26.36,74.21 27.88,74.21 v1(28.41,74.74) 38.42,74.74 38.95,74.21 45.18,74.21 U12.6 ; R104.2 15.97,51.43 17.9,51.43 Q11.6 18.64,51.85 19.94,50.55 Q11.3 20.4,50.27 20.84,49.82 21.71,49.82 22.39,50.5 v1(22.39,50.54) ; 53.38,47.1 51.83,47.1 v1(51.75,47.18)
  Route15 w0.235: J8.5 27.77,57.06 27.77,62.9 29.77,64.89 29.77,73.38 v1(28.41,74.74) 28.38,74.74 ; J8.5 27.52,56.55 ; J8.5 22.39,51.67 v1(22.39,50.54) 27.23,50.54 v1(27.27,50.58) 32.85,50.58 36.26,47.18 v1(51.75,47.18) ; v1(61.56,38.2) 60.51,37.16 50.73,37.16 48.63,39.26 48.63,42.21 51.75,45.33 v1(51.75,47.18) ; v1(51.75,47.18) 51.7,47.13
  Bottom w0.235: 31.18,73.46 29.69,73.46 v1(28.41,74.74) 18.15,74.74 16.87,73.46 U9.6
MISO_RF1: length 11
  Top w0.235: 27.29,44.11 v1(27.29,45.76) 27.29,46.39 R101.1 ; R99.2 19.29,46.49 v1(19.9,45.89)
  Route15 w0.235: v1(27.29,45.76) 20.03,45.76 v1(19.9,45.89)
MISO_RF2: length 21.8
  Top w0.235: R107.1 R48.2 64.48,35.98 v1(65.24,35.22)
  Bottom w0.235: U15.2 65.24,25.73 65.24,44.07 U24.10
MISO_SD: length 13.8
  Top w0.235: R53.2 R104.1 15.22,50.46 v1(14.31,50.46)
  Route15 w0.235: v1(14.31,50.46) 14.31,45.38 v1(17.11,42.58)
  Bottom w0.235: J1.7 17.34,43.2 17.11,42.96 v1(17.11,42.58)
MOSI: length 143.3
  Top w0.235: v1(48.98,45.25) 50.16,45.25 51.01,46.1 53.38,46.1 ; U10.4 26.36,69.13 27.78,69.13 v1(28.3,69.65) 37.8,69.65 39.07,68.38 U12.4 ; R64.2 15.29,49.1 v1(15.29,49.1) ; v1(24.45,48.22) 24.47,48.2 R70.1 ; v1(68.29,36.87) 68.29,36.21 R77.2
  Route15 w0.235: v1(68.29,36.87) 67.78,36.36 50.39,36.36 47.84,38.91 47.84,44.11 v1(48.98,45.25) 48.71,45.52 44.68,45.52 43.52,44.36 31.71,44.36 27.85,48.22 v1(24.45,48.22) 23.63,47.41 16.99,47.41 v1(15.29,49.1) 15.29,49.66 J8.3 24.47,58.84 26.25,58.84 27.01,59.6 27.01,64.3 29.04,66.33 29.04,68.91 v1(28.3,69.65)
  Bottom w0.235: U9.4 17.5,68.38 18.77,69.65 v1(28.3,69.65) 29.57,68.38 31.18,68.38
